# KiCad board pico_synth_sandbox.kicad_pcb (continued)
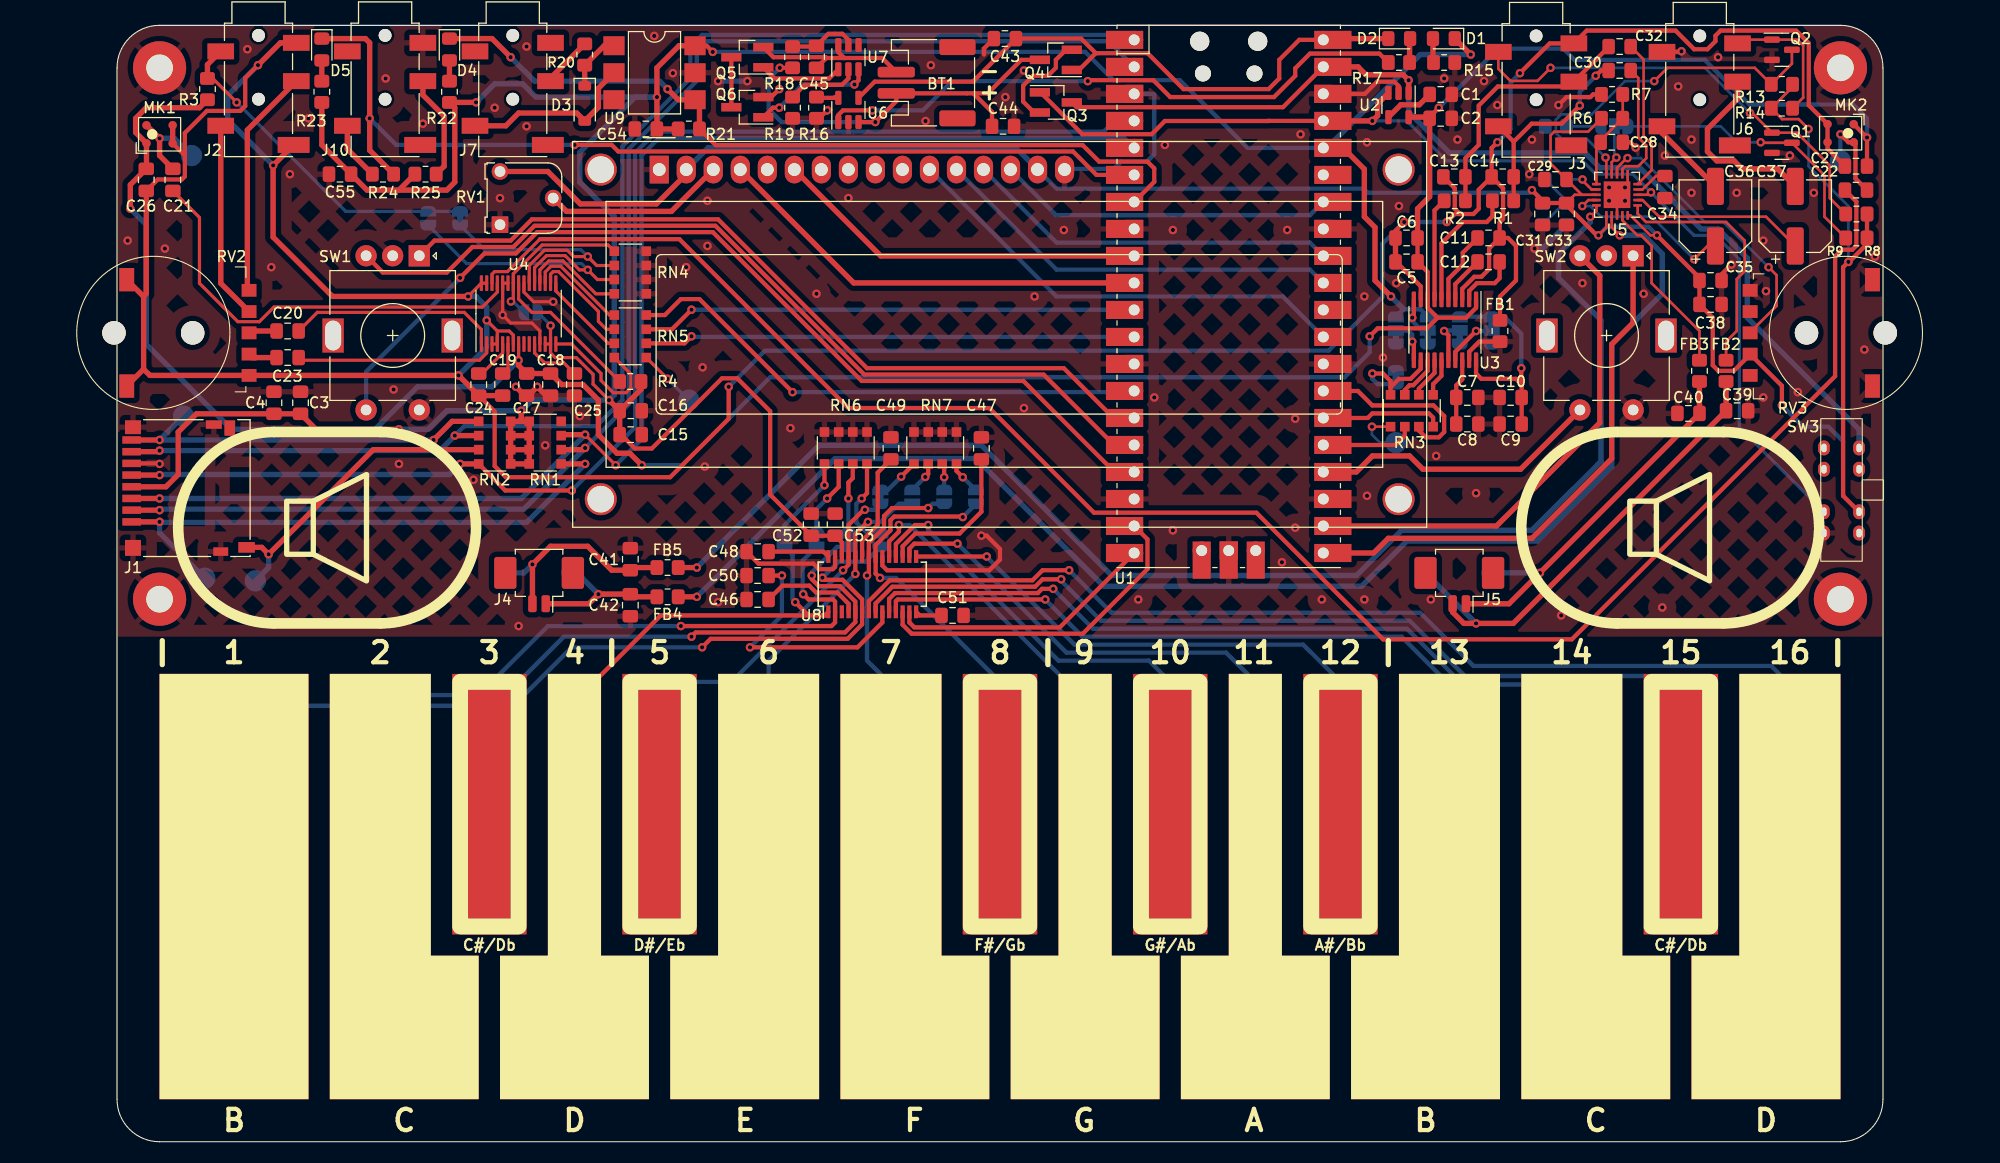
[diagram p0: board, top side]
## Footprints (pads in the part's own frame, mm; a bottom-side part is the same pattern mirrored in y, then rotated) (continued)
  rect 1.2x0.4 smd: 1(-2.6,4.128) 2(-2.6,3.493) 3(-2.6,2.857) 4(-2.6,2.223) 5(-2.6,1.587) 6(-2.6,0.953) 7(-2.6,0.318) 8(-2.6,-0.318) 9(-2.6,-0.953) 10(-2.6,-1.587) 11(-2.6,-2.223) 12(-2.6,-2.857) 13(-2.6,-3.493) 14(-2.6,-4.128) 15(2.6,-4.128) 16(2.6,-3.493) 17(2.6,-2.857) 18(2.6,-2.223) 19(2.6,-1.587) 20(2.6,-0.953) 21(2.6,-0.318) 22(2.6,0.318) 23(2.6,0.953) 24(2.6,1.587) 25(2.6,2.223) 26(2.6,2.857) 27(2.6,3.493) 28(2.6,4.128)
TestPoint_Pad_D2.0mm
  round 2 smd: 1(0,0)
TSSOP-20_4.4x6.5mm_P0.65mm
  rrect 1.475x0.4 smd: 1(-2.862,2.925) 2(-2.862,2.275) 3(-2.862,1.625) 4(-2.862,0.975) 5(-2.862,0.325) 6(-2.862,-0.325) 7(-2.862,-0.975) 8(-2.862,-1.625) 9(-2.862,-2.275) 10(-2.862,-2.925) 11(2.862,-2.925) 12(2.862,-2.275) 13(2.862,-1.625) 14(2.862,-0.975) 15(2.862,-0.325) 16(2.862,0.325) 17(2.862,0.975) 18(2.862,1.625) 19(2.862,2.275) 20(2.862,2.925)
TSSOP-30_4.4x7.8mm_P0.5mm
  rrect 1.475x0.3 smd: 1(-2.862,3.5) 2(-2.862,3) 3(-2.862,2.5) 4(-2.862,2) 5(-2.862,1.5) 6(-2.862,1) 7(-2.862,0.5) 8(-2.862,0) 9(-2.862,-0.5) 10(-2.862,-1) 11(-2.862,-1.5) 12(-2.862,-2) 13(-2.862,-2.5) 14(-2.862,-3) 15(-2.862,-3.5) 16(2.862,-3.5) 17(2.862,-3) 18(2.862,-2.5) 19(2.862,-2) 20(2.862,-1.5) 21(2.862,-1) 22(2.862,-0.5) 23(2.862,0) 24(2.862,0.5) 25(2.862,1) 26(2.862,1.5) 27(2.862,2) 28(2.862,2.5) 29(2.862,3) 30(2.862,3.5)
WC1602A
  round 3 hole 2.5: (-5.499,0) (-5.499,-31.001) (69.499,-31.001) (69.5,0)
  rect 1.8x2.6 hole 1.2: 1(0,0)
  oval 1.8x2.6 hole 1.2: 2(2.54,0) 3(5.08,0) 4(7.62,0) 5(10.16,0) 6(12.7,0) 7(15.24,0) 8(17.78,0) 9(20.32,0) 10(22.86,0) 11(25.4,0) 12(27.94,0) 13(30.48,0) 14(33.02,0) 15(35.56,0) 16(38.1,0)

## Nets
3V3_EN: Q3.1 SW3.7 U1.37 U2.3 U5.3
+3.3V: C3.1 C4.1 C9.1 C10.2 C15.1 C16.1 C52.1 C53.1 C54.1 C55.1 D1.1 J1.4 JP2.3 JP3.1 JP4.3 JP5.3 JP6.1 R4.1 R21.1 R22.1 R23.1 R25.1 RN1.5 RN1.6 RN1.7 RN1.8 RN2.5 RN2.6 RN2.7 RN2.8 U1.36 U3.20 U4.13 U4.14 U8.26 U9.6
+3.3VA: C2.1 C5.1 C6.1 C17.1 C18.1 C26.1 C27.1 MK1.1 MK2.1 R3.1 U2.5 U3.1 U3.8 U4.8
+5V: C29.1 C31.1 C33.1 C35.1 C38.1 DS1.2 DS1.15 R6.1 R8.1 R9.1 R10.1 R13.1 R14.1 RV1.3 RV3.4 SW3.3 U5.13 U5.16 U5.20
GND: C1.2 C2.2 C3.2 C4.2 C7.2 C8.2 C9.2 C10.1 C15.2 C16.2 C17.2 C18.2 C25.2 C28.2 C29.2 C31.2 C33.2 C34.2 C35.2 C38.2 C39.2 C40.2 C41.2 C42.2 C43.2 C44.2 C46.2 C47.2 C48.2 C49.2 C50.2 C51.2 C52.2 C53.2 C54.2 C55.2 DS1.1 DS1.5 DS1.16 FB1.1 H1.1 H2.1 H3.1 H4.1 J1.6 J1.11 J6.R2 J10.S JP1.1 JP2.1 JP3.3 JP4.1 JP5.1 Q1.2 Q2.2 Q6.2 R5.2 R7.2 R11.2 R15.2 R16.2 R19.2 RN4.5 RN4.6 RN4.7 RN4.8 RN6.5 RN6.6 RN6.7 RN6.8 RN7.5 RN7.6 RN7.7 RN7.8 RV1.1 RV3.1 SW1.C SW1.S2 SW2.C SW2.S2 SW3.8 U1.3 U1.8 U1.13 U1.18 U1.23 U1.28 U1.33 U1.38 U1.42 U2.2 U3.19 U4.12 U4.22 U4.25 U4.26 U5.6 U5.18 U5.21 U6.2 U8.20 U8.27 U9.5
GNDA: C5.2 C6.2 C11.2 C13.2 C14.2 C19.2 C24.2 C26.2 C27.2 FB1.2 J2.S J2.TN J3.S MK1.2 MK1.3 MK2.2 MK2.3 RV2.1 U3.3 U3.9 U4.3 U4.4 U4.7 U4.29 U4.30
VBUS: C43.1 D2.1 Q4.1 U1.40 U6.4
+BATT: BT1.1 C44.1 Q4.3 R18.1 U6.3
-BATT: BT1.2 C45.2 Q5.2 U7.6
/1602D4: DS1.11 U1.29
/1602D5: DS1.12 U1.31
/1602D6: DS1.13 U1.32
/1602D7: DS1.14 U1.34
/1602EN: DS1.6 U1.9
/1602RS: DS1.4 U1.10
/Audio Output/AMPL+: C42.1 FB4.2 J4.1 TP6.1
/Audio Output/AMPL-: C41.1 FB5.1 J4.2 TP7.1
/Audio Output/AMPR+: C40.1 FB2.2 J5.1 TP8.1
/Audio Output/AMPR-: C39.1 FB3.1 J5.2 TP9.1
/Audio Output/HPL_OUT: C36.2 J6.T
/Audio Output/HPR_OUT: C37.2 J6.R1
/ENC1A: SW1.A U1.15
/ENC1B: SW1.B U1.16
/ENC1SW: SW1.S1 U1.17
/ENC2A: SW2.A U1.21
/ENC2B: SW2.B U1.22
/ENC2SW: SW2.S1 U1.24
/I2S ADC/LINE_L: C20.1 RV2.3
/I2S ADC/LINE_R: C23.1 RV2.2
/I2S ADC/MIC_L: C21.1 MK1.4 TP26.1
/I2S ADC/MIC_R: C22.1 MK2.4 TP27.1
/I2S DAC/DEMP: JP4.2 U3.10
/I2S DAC/FLT: JP2.2 U3.11
/I2S DAC/FMT: JP5.2 U3.16
/I2S DAC/LDOO: C7.1 C8.1 U3.18
/I2S DAC/SCK: RN3.5 TP4.1
/I2S DAC/XSMT: JP3.2 U3.17
/Touch Keyboard/KYSEL: JP12.1 TP12.1 U8.2
/Touch Keyboard/OPDEN: JP10.1 TP10.1 U8.6
/Touch Keyboard/SAHL: JP11.1 TP11.1 U8.5
/Touch Keyboard/SKMS0: JP14.1 TP14.1 U8.25
/Touch Keyboard/SKMS1: JP13.1 TP13.1 U8.1
/Touch Keyboard/SKSRT: JP17.1 TP17.1 U8.21
/Touch Keyboard/SLWPTM: JP16.1 TP16.1 U8.22
/Touch Keyboard/TPAD5: JP15.1 TP15.1 U8.24
/Touch Keyboard/TPAD8: TP18.1 U8.19
/Touch Keyboard/TPAD9: TP19.1 U8.18
/Touch Keyboard/TPAD10: TP20.1 U8.16
/Touch Keyboard/TPAD11: TP21.1 U8.15
/Touch Keyboard/TPAD12: TP22.1 U8.11
/Touch Keyboard/TPAD13: TP23.1 U8.10
/Touch Keyboard/TPAD14: TP24.1 U8.8
/Touch Keyboard/TPAD15: TP25.1 U8.7
ADC_I2SCLK: RN5.7 U1.11
ADC_I2SDAT: RN5.8 U1.14
ADC_I2SWS: RN5.6 U1.12
ADC_SEL: J2.R2 JP7.2 JP8.2 R3.2
DAC_I2SCLK: RN3.6 U1.25
DAC_I2SDAT: RN3.7 U1.27
DAC_I2SWS: RN3.8 U1.26
I2SAL: C14.1 C30.1 J3.T R1.1
I2SAR: C13.1 C32.1 J3.R1 R2.1
MUTE: JP9.2 U5.9
OUT_SEL: Q2.3 R13.2 U5.10
RUN: U1.30
SPI_CS: J1.2 RN1.2 U1.2
SPI_RX: J1.7 RN2.2 U1.1
SPI_SCK: J1.5 RN2.4 U1.4
SPI_TX: J1.3 RN1.3 U1.5
TTP_SCL: U1.20 U8.13
TTP_SDO: U1.19 U8.12
UART_RX: D4.1 R21.2 U1.7 U9.4
UART_TX: D5.1 R24.2 U1.6
VSYS: Q3.3 SW3.1 U1.39 U2.1
VSYS&VBAT: Q3.2 Q4.2
Net-(U4-VINL2/VIN1M): C20.2 U4.1
Net-(U4-VINL4/VIN4M): C21.2 U4.27
Net-(U4-VINR2/VIN2M): C23.2 U4.2
Net-(U4-VINR4/VIN3M): C22.2 U4.28
Net-(D1-A): D1.2 R15.1
Net-(D2-A): D2.2 R17.1
Net-(D3-A): D3.2 J7.T U9.2
Net-(D3-K): D3.1 R20.1 U9.1
Net-(D4-A): D4.2 R22.2
Net-(D5-A): D5.2 R23.2
Net-(DS1-VO): DS1.3 RV1.2
Net-(J1-DAT1): J1.8 RN2.1 TP1.1
Net-(J1-DAT2): J1.1 RN1.1 TP2.1
Net-(J1-DET_A): J1.10 RN2.3 TP3.1
Net-(J2-PadR1): J2.R1 RV2.5
Net-(J2-PadT): J2.T RV2.4
Net-(J7-PadR1): J7.R1 R20.2
Net-(J7-PadS): J7.S
Net-(J10-PadR1): J10.R1 R25.2
Net-(J10-PadT): J10.T R24.1
Net-(JP1-B): JP1.2 RN3.4 U3.12
Net-(JP6-B): JP6.2 RN4.1 U4.24
Net-(JP7-A): JP7.1 RN4.2 U4.21
Net-(JP8-A): JP8.1 RN4.3 U4.20
Net-(JP9-A): JP9.1 Q1.3 R8.2
Net-(JP9-B): JP9.3 R5.1
Net-(JP10-B): JP10.2 RN6.4
Net-(JP11-B): JP11.2 RN6.3
Net-(JP12-B): JP12.2 RN6.2
Net-(JP13-B): JP13.2 RN6.1
Net-(JP14-B): JP14.2 RN7.1
Net-(JP15-B): JP15.2 RN7.2
Net-(JP16-B): JP16.2 RN7.3
Net-(JP17-B): JP17.2 RN7.4
Net-(Q1-G): J3.R2 Q1.1 R9.2
Net-(Q2-G): J6.S Q2.1 R14.2
Net-(Q5-D): Q5.3 Q6.3
Net-(Q5-G): Q5.1 U7.1
Net-(Q6-G): Q6.1 U7.3
Net-(R10-Pad2): R10.2 R11.1 R12.1
Net-(RN3-R1.1): RN3.1 U3.15
Net-(RN3-R2.1): RN3.2 U3.14
Net-(RN3-R3.1): RN3.3 U3.13
Net-(RN5-R1.1): RN5.1 U4.18
Net-(RN5-R2.1): RN5.2 U4.17
Net-(RN5-R3.1): RN5.3 U4.16
Net-(RN5-R4.1): RN5.4 U4.15
Net-(RN5-R4.2): RN5.5 TP5.1
Net-(U2-BP): C1.1 U2.4
Net-(U3-CAPM): C12.2 U3.4
Net-(U3-CAPP): C12.1 U3.2
Net-(U3-OUTL): R1.2 U3.6
Net-(U3-OUTR): R2.2 U3.7
Net-(U3-VNEG): C11.1 U3.5
Net-(U4-LDO): C25.1 U4.11
Net-(U4-MD2): R4.2 U4.23
Net-(U4-MIC_BIAS): C24.1 U4.5
Net-(U4-VREF): C19.1 U4.6
Net-(U5-BYPASS): C34.1 U5.4
Net-(U5-HPL_OUT): C36.1 U5.14
Net-(U5-HPR_OUT): C37.1 U5.2
Net-(U5-L_IN): C30.2 U5.7
Net-(U5-LOUT_N): FB5.2 U5.15
Net-(U5-LOUT_P): FB4.1 U5.17
Net-(U5-PL): C28.1 R6.2 R7.1 U5.11
Net-(U5-R_IN): C32.2 U5.5
Net-(U5-ROUT_N): FB3.2 U5.1
Net-(U5-ROUT_P): FB2.1 U5.19
Net-(U5-UVP): R12.2 U5.12
Net-(U5-VOLUME): RV3.3 U5.8
Net-(U6-PROG): R16.1 U6.5
Net-(U6-STAT): R17.2 U6.1
Net-(U7-VDD): C45.1 R18.2 U7.5
Net-(U7-VM): R19.1 U7.2
Net-(U8-SENADJ0): C46.1 U8.4
Net-(U8-SENADJ1): C49.1 U8.23
Net-(U8-SENADJ2): C47.1 U8.17
Net-(U8-SENADJ3): C50.1 U8.9
Net-(U8-SLPSENA): C48.1 U8.28
Net-(U8-SLPSENB): C51.1 U8.14

Pads without a net: BT1 MP; DS1 7 8 9 10; J1 9; J3 TN; J4 MP; J5 MP; J6 TN; J7 R2 TN; J10 R2 TN; RN1 4; RN4 4; RV2 0; RV3 0 2 5; SW1 MP; SW2 MP; SW3 2 4 5 6; U1 35 41 43; U4 9 10 19; U7 4; U8 3; U9 3

## Via types
v1: diameter 0.8, hole 0.4, Top to Bottom, 246 vias

## Routing (per net, layer and track width the routed paths; a pad name or vN(x,y) marks a point on that pad's centre or on a via; arc(x,y) is an arc through that point)
3V3_EN: length 105
  Top w0.25: U5.3 143.97,89.06 v1(144.19,89.29)
  Top w0.4: Q3.1 86.8,98.7 90.74,94.76 97.26,94.76 98.5,96 108.25,96 108.26,96.01 U1.37 ; 86.55,98.7 86.5,98.7
  Top w0.5: U1.37 v1(118,96.01) 118.5,96.51 118.5,97.62 U2.3
  Bottom w0.3: v1(118,96.01) 121.24,96.01 125,92.25 137.75,92.25 139,91 142.48,91 v1(144.19,89.29) 148.23,85.25 150.25,85.25 152.5,83 152.5,67.2 SW3.7
+3.3V: length 351.2
  Top w0.3: U4.13 U4.14 ; U4.14 40.75,74.18 41.18,73.75 43.17,73.75 44.75,72.17 44.75,71.25 v1(46.25,69.75) ; U4.14 v1(40.75,76.75)
  Top w0.4: U8.26 68.13,56.37 C53.1 C52.1 61.39,60.86 61.39,68.7 58.3,71.8 56.87,71.8 50.27,65.2 48.68,65.2 47.37,66.5 C15.1 ; 132.04,71.21 132,71.25 v1(132,72.75) ; 132.04,71.21 C9.1 C10.2 ; 132.04,71.21 131.5,71.75 128.25,71.75 127.75,72.25 U3.20 ; U9.6 55.42,103.08 v1(56,102.5)
  Top w0.5: RN2.6 RN1.7 ; RN2.6 RN2.5 RN1.8 RN1.7 ; RN2.6 RN2.7 ; RN1.7 RN1.6 ; 37.75,67.75 38,68 v1(38,68.75) ; 37.75,67.75 RN1.5 RN1.6 ; 37.75,67.75 RN2.8 RN2.7 ; RN1.6 RN2.7 ; R21.1 C54.1 v1(50.75,98.25) 50.75,101 52.83,103.08 U9.6 ; v1(119.75,79.5) 118.25,81 118.25,86 117.25,87 117.25,91.47 115.25,93.47 U1.36 ; v1(26.5,67) 18.71,67 C3.1 C4.1 7.46,68.46 5.75,66.75 5.75,62.75 4.6,61.6 J1.4 ; R25.1 26.5,89.5 ; 26.5,89.5 31,89.5 31.75,90.25 31.75,97.25 R22.1 v1(33.75,97.75) ; 26.5,89.5 23.5,89.5 C55.1 19.25,93.75 R23.1 ; C16.1 v1(46.25,69.75) ; C16.1 49.25,70.75 R4.1 ; C16.1 C15.1 ; D1.1 v1(127.25,102.25)
  Bottom w0.3: JP6.1 40.75,76.8 v1(40.75,76.75) ; v1(50.75,98.25) 49,98.25
  Bottom w0.4: v1(132,72.75) 132,76 130.4,77.6 JP3.1 JP5.3 JP4.3 122.51,78.3 120.91,78.3 JP2.3 ; U1.36 106.28,93.47 99.91,99.84 93.66,99.84 91,102.5 v1(56,102.5)
  Bottom w0.5: v1(119.75,79.5) 120.91,78.34 120.91,78.3 ; v1(127.25,102.25) 122.5,102.25 113.72,93.47 U1.36 ; v1(26.5,67) 29.25,67 31,68.75 v1(38,68.75) 39,69.75 v1(46.25,69.75) 46.75,70.25 46.75,87 43.5,90.25 43.5,93.05 48.7,98.25 v1(50.75,98.25) 39.38,98.25 38.12,99.5 35.5,99.5 v1(33.75,97.75)
+3.3VA: length 251.9
  Top w0.3: U4.8 v1(37.75,73.5)
  Top w0.4: U3.8 123.2,81.8 C5.1 C6.1 ; U3.8 123.21,79.24 ; U3.8 123.2,78.43 124.13,77.5 ; 124.13,77.5 126.82,77.5 127.75,78.43 U3.1 ; 124.13,77.5 123.13,76.5 118.5,76.5 v1(117.75,75.75) ; MK2.1 v1(164.5,94.45) C27.1 ; v1(124.25,97.25) 123.39,96.39 C2.1
  Top w0.5: U2.5 123.28,96.36 C2.1 123.39,88.89 122.25,87.75 C6.1 ; R3.1 7.75,97.25 2.75,97.25 1.75,96.25 1.75,94.92 MK1.1 2.77,91.52 C26.1 1.25,90 v1(1.25,87.75) ; v1(37.75,73.5) 37.75,73 C17.1 C18.1 41.79,71.21 43.79,71.21 45.25,69.75 45.25,66.5 47,64.75 48.2,64.75 v1(49.33,63.62)
  Bottom w0.4: v1(164.5,94.45) 164.5,96.25 163.2,97.55 153.45,97.55 149.25,101.75 137,101.75 135.95,102.8 129.8,102.8 v1(124.25,97.25) ; v1(117.75,75.75) 117.75,74.25 115.4,71.9 61.4,71.9 53.12,63.62 v1(49.33,63.62)
  Bottom w0.5: v1(1.25,87.75) 2.75,86.25 2.75,75 10.75,67 24.25,67 28.25,71 35.25,71 v1(37.75,73.5)
+5V: length 230.9
  Top w0.25: 137.69,89.06 137.03,89.06 C33.1 136.25,88 ; 137.69,89.06 C29.1 134.75,92 134.75,94.65 135.1,95 138.29,95 R6.1 ; 137.69,89.06 U5.13 ; U5.20 142.26,87.12 144.14,85.25 v1(144.75,85.25) ; R13.1 157.5,99.2 R14.1 156.53,96.17 158.07,96.17 v1(159,95.25) ; U5.16 140,86 v1(139.25,85.25) ; v1(133,89.5) 133,89.29 ; 148.39,81 C35.1
  Top w0.4: SW3.3 162.25,60.75 162.25,82.25 v1(162.75,82.75) 162.82,82.75 164.5,84.43 R8.1 R9.1 ; v1(156.5,69.25) 156.5,71.09 RV3.4 153.51,74.04 151.98,72.5 150.52,72.5 150,73.02 150,77.5 C38.1 C35.1 148.75,81.25 v1(144.75,85.25) ; v1(133,89.5) 134,88.5 C31.1 C33.1 136.25,88.09 139.09,85.25 v1(139.25,85.25)
  Top w0.5: RV1.3 40.5,91.25 43.55,88.2 50.7,88.2 53.51,91.01 DS1.2
  Bottom w0.25: v1(159,95.25) 159,91.75 162.75,88 v1(162.75,82.75)
  Bottom w0.4: v1(156.5,69.25) 158.5,67.25 160.88,67.25 162.25,65.88 162.25,60.75 SW3.3 ; R10.1 134,88.5 v1(133,89.5) 132.75,89.25 117.56,89.25 117.17,89.64 88.32,89.64 DS1.15 ; v1(144.75,85.25) 143.95,86.05 140.05,86.05 v1(139.25,85.25)
  Bottom w0.5: DS1.2 55.58,93.5 84.46,93.5 DS1.15
GND: length 99.6
  Top w0.25: 142,90.06 v1(141.75,89.75) 142,90 U5.6 ; U5.18 U5.21
  Top w0.3: v1(41,79) 39.16,79 38.25,79.91 U4.22 ; U4.25 U4.26 v1(36.25,77.75) 37,77 39,77 39.75,76.25 U4.12
  Top w0.4: FB1.1 128.05,75.25 127.1,74.3 U3.19 ; v1(151.75,82.5) 150.82,81.58 C35.2 ; v1(142.75,93.5) 142.25,94 C28.2 ; v1(62.25,99) 61.5,98.25 Q6.2 ; v1(135.5,97.5) 136.25,98.25 138.5,98.25 138.75,98.5 R7.2 ; v1(147.06,102.56) 147,102.5 J6.R2 ; v1(81.25,57) 81.75,57 83,55.75 83,54.75 82,53.75 72.38,53.75 71.94,54.19 U8.20 ; v1(66.75,97) 66,96.25 R16.2 ; v1(4,63.75) 3.95,63.8 J1.6 ; C43.2 81.5,102.83 81.5,102.25 ; C48.2 60.3,54.38 65.45,54.38 65.97,53.85 67.27,53.85 67.5,54.07 U8.27 ; U2.2 120.46,99.3 120.06,99.7 118.45,99.7 117.3,98.55 U1.38
  Top w0.5: C18.2 40.33,70.17 v1(39.5,71) 38.67,70.17 C17.2 38.33,70.17 v1(37.5,71)
  Bottom w0.4: U1.3 97.45,98.55 97.5,98.5 97.5,92.88 96.81,92.18 94.39,92.18 93.71,91.5 89.14,91.5 DS1.16
  Bottom w0.5: v1(56.5,99.75) v1(59.25,99.75) ; v1(133.25,84) 134,84 R11.2
  vias: v1(1,84.75) v1(4.5,84) v1(12.25,102.75) v1(14.5,82.25) v1(16.25,91) v1(18,96.25) v1(25.25,100) v1(26,70.75) v1(26.5,63.75) v1(28.75,95.75) v1(33.5,62.25) v1(35.5,97.25) v1(36,88.75) v1(37.75,48.5) v1(38.5,103) v1(38.5,95.5) v1(40.25,65.5) v1(43.5,68.25) v1(50.5,104) v1(52.25,100.5) v1(53.5,82.25) v1(55.05,72.83) v1(55.25,63.5) v1(55.5,88.5) v1(55.5,84.25) v1(56.5,50.75) v1(63.3,67.12) v1(65.75,79.75) v1(68.75,88.75) v1(76,96) v1(76.5,101.25) v1(83.5,98.25) v1(85.25,100.75) v1(85.25,69) v1(86.25,79.5) v1(89,85.75) v1(96,51) v1(97.5,70) v1(98.5,93.75) v1(99.25,85.75) v1(99.25,57.5) v1(109.5,54.5) v1(110,85.75) v1(110.75,68) v1(110.75,57.75) v1(111.25,94.75) v1(113.25,51) v1(117.25,79.5) v1(117.25,51) v1(117.5,94) v1(117.5,60.75) v1(119,73.75) v1(120.25,80.75) v1(120.5,88) v1(123.5,51) v1(124,64.5) v1(124.75,100) v1(126,94.25) v1(127.75,61) v1(128.5,99.75) v1(129.75,97.5) v1(132.75,91) v1(133,94.25) v1(135.75,49.5) v1(137.75,80.75) v1(140.25,89.75) v1(140.25,88.5) v1(141.75,88.5) v1(143.5,79.75) v1(145.25,50.25) v1(145.5,92.75) v1(146.75,99.25) v1(148,94.25) v1(148,89.25) v1(150.5,102) v1(152.25,89.25) v1(154.75,84.75) v1(154.75,70) v1(155,80) v1(157.25,92.75) v1(158,70.5) v1(159.5,89.25) v1(164.25,74.5) v1(165.25,83.25)
GNDA: length 354.3
  Top w0.3: v1(34.75,77.25) 35.75,76.25 ; 35.75,76.25 U4.4 ; 35.75,76.25 36.87,76.25 37.25,75.87 U4.7 ; v1(33,79.5) U4.30 U4.29 ; U4.4 U4.3 ; U4.4 35.75,75.87
  Top w0.4: C11.2 128.97,84.01 128.97,82.08 128.25,81.35 127.58,81.35 126.45,80.22 U3.3 ; C11.2 130.75,85 131.5,84.25 131.5,81 130,79.5 FB1.2 ; C11.2 129.96,86.46 130.29,86.79 130.29,89.67 C14.2 ; C13.2 125.75,89.67 125.75,87.75 126.25,87.25 126.5,87.25 ; v1(129.75,94) 129.21,93.46 C14.2 ; 126.5,87.25 127.5,87.25 128,87.75 128,89.54 C14.2 ; 126.5,87.25 125.75,87.25 v1(125,86.5) ; C6.2 120.18,85.67 v1(121,86.5) ; C27.2 160.79,93.38 MK2.3 MK2.2 160.79,95.71 159.03,97.47 159.03,103.32 157.84,104.5 150.73,104.5 150.25,104.02 150.25,103.5 149.5,102.75 148.25,102.75 146.5,104.5 138.15,104.5 J3.S 134.68,103.3 v1(131.88,100.5) ; 6.38,92.75 6.38,94.88 8.45,96.95 11.58,96.95 12.05,97.42 12.05,100.05 v1(13.25,101.25) ; 6.38,92.75 6.38,90.79 6.09,90.5 3.83,90.5 C26.2 ; 6.38,92.75 MK1.2 ; C5.2 120.25,82.75 122.55,80.45 U3.9 ; C24.2 35.5,68.67 35.5,63.55 36.55,62.5 52,62.5 57.5,68 v1(57.5,71)
  Top w0.5: 2.5,79.5 2.5,72.66 ; 2.5,79.5 2.49,79.5 RV2.1 ; 2.5,79.5 2.75,79.75 C26.2 ; 2.5,72.66 RV2.1 ; 2.5,72.66 3.09,72.08 RV2.1 v1(32.1,72.08) C24.2 C19.2 ; J2.TN v1(14.67,91.83) 14.67,85.08 20.25,79.5 v1(33,79.5) ; MK1.3 MK1.2 ; C6.2 C5.2 ; v1(13.25,101.25) 15.35,103.35 J2.S
  Bottom w0.4: v1(57.5,71) 60.9,74.4 113.9,74.4 118.95,79.45 118.95,84.45 v1(121,86.5) v1(125,86.5) ; v1(131.88,100.5) 131,99.62 131,95.25 v1(129.75,94)
  Bottom w0.5: v1(32.1,72.08) 34.75,74.72 v1(34.75,77.25) 34.75,78.5 33.75,79.5 v1(33,79.5) ; v1(13.25,101.25) 10.4,98.4 10.4,96.1 v1(14.67,91.83)
VBUS: length 60
  Top w0.4: Q4.1 90.42,100.8 92,102.38 ; 92,102.38 90.63,103.75 C43.1 80.45,99.7 71.22,99.7 U6.4 ; 92,102.38 96.87,102.38 100.25,99 108.25,99 109.25,100 109.25,101.75 111.13,103.63 U1.40
  Top w0.5: U1.40 113.51,103.75 D2.1
(no net): length 9.9
  Top w0.3: 39.75,80.75 39.75,82 40.58,82.84 41.92,82.84 45,79.75 46.75,79.75
+BATT: length 39.8
  Top w0.4: v1(62.3,101) R18.1 ; Q4.3 85,101.75 81.85,98.6 80.5,98.6 ; C44.1 82.25,96.85 80.5,98.6 ; U6.3 v1(71.28,95.9) 73.25,97.87 BT1.1 80.5,98.6
  Bottom w0.4: v1(71.28,95.9) 62.47,95.9 61.25,97.12 61.25,99.95 v1(62.3,101)
-BATT: length 16.2
  Top w0.4: Q5.2 61.7,102 66.6,102 66.67,101.92 ; 66.67,101.92 68.35,101.92 ; 66.67,101.92 C45.2 ; 68.35,101.92 67.8,102.48 U7.6 ; 68.35,101.92 71.92,101.92 BT1.2
/1602D4: length 43.5
  Bottom w0.4: U1.29 109.58,79.5 88.3,79.5 DS1.11
/1602D5: length 38.9
  Bottom w0.4: U1.31 112.14,82.02 88.32,82.02 DS1.12
/1602D6: length 35.3
  Bottom w0.4: DS1.13 88.32,84.56 112.14,84.56 U1.32
/1602D7: length 31.7
  Bottom w0.4: DS1.14 88.28,87.14 112.14,87.14 U1.34
/1602EN: length 35.3
  Top w0.5: DS1.6 71.79,83.31 U1.9
/1602RS: length 41.4
  Top w0.5: DS1.4 69.25,80.77 U1.10
/Audio Output/AMPL+: length 14.3
  Top w0.5: J4.1 44.35,50.6 v1(45.25,51.5) C42.1 48.5,51.25 FB4.2
  Bottom w0.5: TP6.1 43.25,53.5 v1(45.25,51.5)
/Audio Output/AMPL-: length 20
  Top w0.5: FB5.1 48.5,54 C41.1 46.5,53.75 44.25,56 40.75,56 v1(39.05,54.3) J4.2
  Bottom w0.5: v1(39.05,54.3) 38.25,53.5 TP7.1
/Audio Output/AMPR+: length 36.9
  Top w0.5: FB2.2 C40.1 v1(133.75,53.5) 130.85,50.6 J5.1
  Bottom w0.5: TP8.1 v1(133.75,53.5)
/Audio Output/AMPR-: length 44.7
  Top w0.5: J5.2 125.55,49.8 126.6,48.75 v1(127.75,48.75) 131.25,48.75 C39.1 FB3.1
  Bottom w0.5: TP9.1 v1(127.75,48.75)
/Audio Output/HPL_OUT: length 7.7
  Top w0.5: C36.2 145.23,94.87 J6.T
/Audio Output/HPR_OUT: length 17.4
  Top w0.5: C37.2 156.1,91.5 152.75,91.5 152,92.25 150.38,92.25 149.5,93.13 149.5,95.25 152.33,98.08 J6.R1
/ENC1A: length 76.4
  Top w0.4: U1.15 93.68,68.07 89,72.75 70.5,72.75 56.5,86.75 39,86.75 37,84.75 29.84,84.75 SW1.A
/ENC1B: length 83.2
  Top w0.4: SW1.B 24.99,81.75 31,81.75 33.4,84.15 37.25,84.15 39.25,86.15 56.25,86.15 70.25,72.15 87.1,72.15 93.72,65.53 U1.16
/ENC1SW: length 90.6
  Top w0.4: v1(32.25,81.25) 34.55,83.55 37.5,83.55 39.5,85.55 56,85.55 70,71.55 85.2,71.55 93.76,62.99 U1.17
  Bottom w0.4: SW1.S1 23.41,72.41 v1(32.25,81.25)
/ENC2A: length 50.7
  Top w0.5: U1.21 118.12,55.37 119.5,56.75 133,56.75 140.5,64.25 140.5,75 142.51,77.01 SW2.A
/ENC2B: length 46.5
  Top w0.5: U1.22 129.67,57.91 139.38,67.62 139.38,81.46 SW2.B
/ENC2SW: length 27.6
  Top w0.5: U1.24 116.49,62.99 118,64.5 121.5,64.5 122.75,63.25 131.94,63.25 SW2.S1
/I2S ADC/LINE_L: length 2.7
  Top w0.5: C20.1 12.59,76.25 RV2.3
/I2S ADC/LINE_R: length 2.7
  Top w0.5: C23.1 12.74,73.75 RV2.2
/I2S ADC/MIC_L: length 8.8
  Top w0.5: C21.1 4,92.75 v1(4,94.37) MK1.4
  Bottom w0.5: TP26.1 5.38,94.37 v1(4,94.37)
/I2S ADC/MIC_R: length 9.1
  Top w0.4: C22.1 163.41,90.59 163.41,93.84 MK2.4 162.75,94 v1(162,94.75)
  Bottom w0.4: v1(162,94.75) TP27.1
/I2S DAC/DEMP: length 3.9
  Top w0.4: v1(121.75,77.5) 121.9,77.65 U3.10
  Bottom w0.4: JP4.2 122.65,76.3 121.75,77.2 v1(121.75,77.5)
/I2S DAC/FLT: length 4.2
  Top w0.4: v1(121.75,75.25) 121.9,75.1 U3.11
  Bottom w0.4: JP2.2 121.36,76.3 121.75,75.91 v1(121.75,75.25)
/I2S DAC/FMT: length 4.4
  Top w0.4: v1(124.75,76.25) 125.15,75.85 U3.16
  Bottom w0.4: v1(124.75,76.25) 124.8,76.3 JP5.2
/I2S DAC/LDOO: length 6.2
  Top w0.4: U3.18 126.45,71.7 125.89,71.14 C7.1 C8.1
/I2S DAC/SCK: length 5.1
  Top w0.25: RN3.5 v1(117.96,67.25)
  Bottom w0.25: TP4.1 118.71,65.75 117.96,66.5 v1(117.96,67.25)
/I2S DAC/XSMT: length 5
  Top w0.4: v1(127.75,76.25) 127.75,76.25 125.8,74.3 U3.17
  Bottom w0.4: JP3.2 129.16,76.25 v1(127.75,76.25)
/Touch Keyboard/KYSEL: length 56.4
  Top w0.4: TP12.1 v1(35,43) ; v1(53,48.5) 67.16,48.5 67.5,48.84 U8.2 67.5,50.8 67.3,51 65,51 v1(64.5,51.5)
  Bottom w0.4: v1(35,43) 40.5,48.5 v1(53,48.5) ; v1(64.5,51.5) 64.45,51.55 64.45,54.65 JP12.1
/Touch Keyboard/OPDEN: length 95.6
  Top w0.4: v1(55,46.5) 55.8,47.3 68.68,47.3 70.04,48.66 U8.6 70.04,51.02 68.2,52.85 66.51,52.85 v1(66.31,53.05) ; TP10.1 v1(11,43)
  Bottom w0.4: v1(55,46.5) 42.75,46.5 37.25,41 13,41 v1(11,43) ; v1(66.31,53.05) 67.81,54.55 70.35,54.55 JP10.1
/Touch Keyboard/SAHL: length 79.8
  Top w0.4: v1(65.31,53.25) 65.31,52.91 65.97,52.25 67.95,52.25 69.4,50.8 U8.5 69.4,48.87 68.43,47.9 54.4,47.9 v1(54,47.5) ; v1(24.75,43) 27,40.75 TP11.1
  Bottom w0.4: JP11.1 67.7,55.95 65.31,53.56 v1(65.31,53.25) ; v1(24.75,43) 25.75,42 36.5,42 42,47.5 v1(54,47.5)
/Touch Keyboard/SKMS0: length 41.4
  Top w0.4: v1(70.3,59.43) 70.18,59.43 68.77,58.02 U8.25 68.77,54.27 v1(68.25,53.75) ; TP14.1 v1(51,43.25)
  Bottom w0.4: v1(70.3,59.43) 71.18,59.43 JP14.1 ; v1(51,43.25) 57.75,43.25 v1(68.25,53.75)
/Touch Keyboard/SKMS1: length 52.1
  Top w0.4: TP13.1 43,41.4 51.1,49.5 65,49.5 ; 65,49.5 v1(63.75,50.75) ; 65,49.5 66.53,49.5 U8.1
  Bottom w0.4: v1(63.75,50.75) 63.5,51 63.5,55.2 JP13.1
/Touch Keyboard/SKSRT: length 41.7
  Top w0.4: v1(71.72,53.03) 71.31,53.44 U8.21 71.31,56.11 72.7,57.5 72.7,58.45 73.05,58.8 79.45,58.8 v1(79.5,58.75) ; TP17.1 v1(83,43.25)
  Bottom w0.4: v1(83,43.25) 73.22,53.03 v1(71.72,53.03) ; v1(79.5,58.75) JP17.1
/Touch Keyboard/SLWPTM: length 43.5
  Top w0.4: v1(72.75,43) 75,40.75 TP16.1 ; v1(76.25,59.6) 72.85,59.6 72.1,58.85 72.1,57.75 70.67,56.32 U8.22 70.67,53.42 v1(70.5,53.25)
  Bottom w0.4: JP16.1 76.65,60 v1(76.25,59.6) ; v1(72.75,43) 70.5,45.25 v1(70.5,53.25)
/Touch Keyboard/TPAD5: length 44
  Top w0.4: v1(70.59,58.29) 70.54,58.29 69.4,57.15 U8.24 v1(69.4,53.4) ; v1(61.25,43) 61.25,26.25 TP15.1
  Bottom w0.4: JP15.1 73.5,60 71.79,58.29 v1(70.59,58.29) ; v1(69.4,53.4) 61.25,45.25 v1(61.25,43)
/Touch Keyboard/TPAD8: length 46.2
  Top w0.4: v1(73.5,58) 73.5,57.38 72.58,56.46 U8.19 ; TP18.1 v1(91,43.25)
  Bottom w0.4: v1(73.5,58) 74.5,58 89.25,43.25 v1(91,43.25)
/Touch Keyboard/TPAD9: length 45.6
  Top w0.4: TP19.1 v1(99,43.25) ; U8.18 73.21,56.21 75,58 v1(76.25,58)
  Bottom w0.4: v1(76.25,58) 76.25,57.5 88.5,45.25 97,45.25 v1(99,43.25)
/Touch Keyboard/TPAD10: length 58.1
  Top w0.4: U8.16 74.48,55.79 74.95,56.25 v1(79,56.25) ; TP20.1 v1(107,43.25)
  Bottom w0.4: v1(79,56.25) 89.25,46 104.25,46 v1(107,43.25)
/Touch Keyboard/TPAD11: length 56.3
  Top w0.4: TP21.1 v1(115,43.25) ; v1(81.75,55.04) U8.15
  Bottom w0.4: v1(81.75,55.04) 81.75,55 90,46.75 111.5,46.75 v1(115,43.25)
/Touch Keyboard/TPAD12: length 76.4
  Top w0.4: U8.11 73.21,50.84 73.38,51 v1(87.25,51) ; v1(125.25,43) 125.25,26.25 TP22.1
  Bottom w0.4: v1(87.25,51) 90.75,47.5 120.75,47.5 v1(125.25,43)
/Touch Keyboard/TPAD13: length 89.4
  Top w0.4: U8.10 72.58,51.05 73.13,51.6 86.55,51.6 86.95,52 v1(88,52) ; v1(136.75,43) 139,40.75 TP23.1
  Bottom w0.4: v1(88,52) 91.75,48.25 121.25,48.25 126.5,43 v1(136.75,43)
/Touch Keyboard/TPAD14: length 92.9
  Top w0.4: v1(88.75,52.9) 87,52.9 86.3,52.2 72.88,52.2 71.31,50.63 U8.8 ; TP24.1 v1(147,43)
  Bottom w0.4: v1(88.75,52.9) 88.75,52.75 92.5,49 121.5,49 126.7,43.8 146.2,43.8 v1(147,43)
/Touch Keyboard/TPAD15: length 113.2
  Top w0.4: U8.7 70.67,50.84 72.63,52.8 86.05,52.8 87,53.75 v1(89.5,53.75) ; v1(157.25,43) 157.25,26.25 TP25.1
  Bottom w0.4: v1(157.25,43) 155.5,44.75 127.5,44.75 122.5,49.75 93.5,49.75 v1(89.5,53.75)
ADC_I2SCLK: length 46.6
  Top w0.4: RN5.7 52.16,76.41 v1(54,78.25)
  Bottom w0.4: U1.11 95.59,78.25 v1(54,78.25)
ADC_I2SDAT: length 50.2
  Top w0.4: RN5.8 51.5,77.75 53,79.25 54.75,79.25 v1(63.5,70.5)
  Bottom w0.4: v1(63.5,70.5) 95.5,70.5 U1.14
ADC_I2SWS: length 46.2
  Top w0.4: RN5.6 53.34,75.09 v1(54,75.75)
  Bottom w0.4: U1.12 54.06,75.69 v1(54,75.75)
ADC_SEL: length 32
  Top w0.3: v1(11.25,97.75) 9,100 R3.2
  Top w0.5: J2.R2 8.5,101.3 R3.2
  Bottom w0.3: JP7.2 JP8.2 21.5,87.5 v1(11.25,97.75)
DAC_I2SCLK: length 8.9
  Top w0.4: RN3.6 121.05,66.4 120.18,65.53 U1.25
DAC_I2SDAT: length 17
  Top w0.4: U1.27 116.64,70.61 118,69.25 123.75,69.25 124.75,68.25 124.75,66.75 124.25,66.25 123.01,66.25 122.37,66.89 RN3.7
DAC_I2SWS: length 11.5
  Top w0.4: RN3.8 123.71,68.1 123.31,68.5 118,68.5 117.57,68.07 U1.26
I2SAL: length 20.1
  Top w0.4: v1(139,100.25) 139.5,100.75 C30.1 ; 131.29,94.06 C14.1 R1.1 ; 131.29,94.06 J3.T ; 131.29,94.06 132.98,95.75 135.8,95.75 v1(137.5,97.45)
  Bottom w0.4: v1(139,100.25) 137.5,98.75 v1(137.5,97.45)
I2SAR: length 24
  Top w0.4: C32.1 140.21,102.97 J3.R1 136.5,99.25 129.8,99.25 128,97.45 128,93.75 126.75,92.5 C13.1 R2.1
MUTE: length 4.8
  Top w0.25: v1(140.94,92.56) 140.5,92.12 U5.9
  Bottom w0.25: JP9.2 140.75,92.75 v1(140.94,92.56)
OUT_SEL: length 35.4
  Top w0.25: Q2.3 157.44,101.39 R13.2 153.95,101 145.75,101 v1(144.5,99.75) ; v1(139.92,92.56) 140,92.48 U5.10
  Bottom w0.25: v1(139.92,92.56) 138.25,94.23 135.9,94.23 135.25,94.88 135.25,96.12 135.75,96.62 138.62,96.62 141.75,99.75 v1(144.5,99.75)
SPI_CS: length 131.6
  Top w0.5: RN1.2 43.84,65.09 v1(44,65.25) ; v1(4,59.4) J1.2
  Bottom w0.4: U1.2 93.2,103.5 55.25,103.5 54.5,102.75 54.5,99.77 48.1,93.37 48.1,69.35 v1(44,65.25)
  Bottom w0.5: v1(4,59.4) 4.1,59.5 38.25,59.5 v1(44,65.25)
SPI_RX: length 128.6
  Top w0.5: v1(4,65) 3.9,64.9 J1.7 ; v1(31.75,66.41) RN2.2
  Bottom w0.4: U1.1 93.92,103.63 93.45,104.1 55,104.1 53.9,103 53.9,100.02 47.5,93.62 47.5,69.75 45.05,67.3 32.64,67.3 v1(31.75,66.41)
  Bottom w0.5: v1(31.75,66.41) 30.34,65 v1(4,65)
SPI_SCK: length 125.2
  Top w0.4: v1(42.75,61.25) 36.5,61.25 RN2.4
  Top w0.5: v1(4,62.7) J1.5 ; v1(32.25,63.75) RN2.4
  Bottom w0.4: v1(42.75,61.25) 48.7,67.2 48.7,93 50.7,95 92.75,95 93.75,96 95.6,96 U1.4
  Bottom w0.5: v1(4,62.7) 4.05,62.75 31.25,62.75 v1(32.25,63.75)
SPI_TX: length 129
  Top w0.3: v1(46.88,63.62) v1(44,66.5)
  Top w0.5: v1(4,60.5) J1.3 ; v1(44,66.5) 41.84,66.5 RN1.3
  Bottom w0.4: U1.5 94.68,94.4 50.95,94.4 49.3,92.75 49.3,66.05 v1(46.88,63.62)
  Bottom w0.5: v1(44,66.5) 38,60.5 v1(4,60.5)
TTP_SCL: length 25.2
  Top w0.4: U1.20 88.62,48.38 74.94,48.38 74.48,48.84 U8.13
TTP_SDO: length 31.7
  Top w0.4: U8.12 73.85,48.62 74.7,47.78 90.78,47.78 96.86,53.86 96.86,56.66 U1.19
UART_RX: length 76.6
  Top w0.4: U1.7 97.5,90.28 97.5,91.54 96.86,92.18 92.32,92.18 90.77,93.73 56.27,93.73 R21.2
  Top w0.5: v1(37,102) 35.25,103.75 D4.1 ; R21.2 54.75,97.58 U9.4 52.75,98 v1(51.75,99)
  Bottom w0.5: v1(51.75,99) 51,99.75 39.25,99.75 v1(37,102)
UART_TX: length 92
  Top w0.4: U1.6 92.07,90.93 89.87,93.13 47.12,93.13 46.5,93.75 v1(43,93.75)
  Top w0.5: R24.2 23.75,93.25 v1(23.75,96.25) 23.75,103.35 23.35,103.75 D5.1
  Bottom w0.4: v1(23.75,96.25) 26.25,93.75 v1(43,93.75)
VSYS: length 97.9
  Top w0.4: Q3.3 90.2,97.3 109.6,97.3 U1.39
  Top w0.5: U1.39 116.66,101.09 117.4,100.35 120.9,100.35 v1(121.41,99.84) U2.1
  Bottom w0.5: SW3.1 163.75,67 153.25,77.5 153.25,83.1 150.5,85.85 148.9,85.85 143.15,91.6 139.4,91.6 138,93 125.25,93 121.41,96.84 v1(121.41,99.84)
VSYS&VBAT: length 10
  Top w0.4: 89.5,102.7 89.45,102.7 ; Q3.2 86.2,96.8 85.17,97.83 85.17,99.33 86.1,100.25 87.5,100.25 88.25,101 88.25,101.75 89.2,102.7 Q4.2
Net-(U4-VINL2/VIN1M): length 19.9
  Top w0.3: 17.08,76.25 18.83,78 32.64,78 34.25,76.39 U4.1
Net-(U4-VINL4/VIN4M): length 41.2
  Top w0.3: C21.2 7.75,86.92 7.75,80.74 11.36,77.12 13.38,77.12 14.75,78.5 34.34,78.5 35.75,79.91 U4.27
Net-(U4-VINR2/VIN2M): length 18.9
  Top w0.3: U4.2 34.75,74.18 34.07,73.5 17.33,73.5 17.08,73.75
Net-(U4-VINR4/VIN3M): length 173.6
  Top w0.3: U4.28 35.25,81.59 35.5,81.84 36.7,81.84 39.75,84.89
  Top w0.4: C22.2 163.5,88.42 163.5,84.27 163.13,83.9 162.15,83.9 161.5,83.25 161.5,72 136.75,47.25 119.01,47.25 107.1,59.16 91.84,59.16 82,69 68.75,69 52.86,84.89 39.75,84.89
Net-(D1-A): length 2.3
  Top w0.5: D1.2 123.7,101.55 R15.1
Net-(D2-A): length 2.3
  Top w0.5: D2.2 121.5,103.7 R17.1
Net-(D3-A): length 16.8
  Top w0.5: J7.T 36.55,95.55 37.75,96.75 43.21,96.75 D3.2 45.25,97.29 45.25,99.08 U9.2
Net-(D3-K): length 5.5
  Top w0.5: D3.1 R20.1 45.79,103.08 U9.1
Net-(D4-A): length 2
  Top w0.5: R22.2 D4.2
Net-(D5-A): length 2
  Top w0.5: D5.2 R23.2
Net-(DS1-VO): length 17.2
  Top w0.5: DS1.3 52.12,87.5 42.25,87.5 RV1.2
Net-(J1-DAT1): length 36.5
  Top w0.5: v1(4,66) J1.8 ; v1(29.75,66) 31.5,67.75 RN2.1
  Bottom w0.5: v1(29.75,66) v1(4,66) TP1.1
Net-(J1-DAT2): length 54.2
  Top w0.5: v1(44,63.75) RN1.1 ; v1(4,58.3) J1.1
  Bottom w0.5: v1(44,63.75) 38.5,58.25 4.05,58.25 v1(4,58.3) 4,57.25 TP2.1
Net-(J1-DET_A): length 29.2
  Top w0.5: J1.10 13.6,55.9 v1(14.25,55.25) 24.09,65.09 RN2.3
  Bottom w0.5: TP3.1 14.25,54 v1(14.25,55.25)
Net-(J2-PadR1): length 21.6
  Top w0.5: J2.R1 12.25,95.15 12.25,80.24 RV2.5
Net-(J2-PadT): length 18.6
  Top w0.5: RV2.4 9.75,80.74 J2.T
Net-(J7-PadR1): length 4.8
  Top w0.5: R20.2 40.75,100.04 J7.R1
Net-(J10-PadR1): length 9.9
  Top w0.5: R25.2 30.75,91.75 30.75,96.45 28.75,98.45 J10.R1
Net-(J10-PadT): length 5.5
  Top w0.5: J10.T 21.65,93.35 R24.1
Net-(JP1-B): length 10.6
  Top w0.4: 119.71,70.96 RN3.4 ; 119.71,70.96 119.71,71.54 119,72.25 v1(118,72.25) ; 119.71,70.96 120.5,71.75 121.6,71.75 122.55,72.7 U3.12
  Bottom w0.4: v1(118,72.25) 118,71.75 118.5,71.25 JP1.2
Net-(JP6-B): length 15.2
  Top w0.3: RN4.1 46.16,84.34 39.96,84.34 37.25,81.63 U4.24 37.25,79.25 v1(37.03,79.03)
  Bottom w0.3: JP6.2 37.22,79.03 v1(37.03,79.03)
Net-(JP7-A): length 24.1
  Top w0.3: U4.21 38.75,82.42 40.17,83.84 42.33,83.84 42.92,83.25 v1(44.25,83.25) 45.09,82.41 RN4.2
  Bottom w0.3: v1(44.25,83.25) 43.59,83.91 34.54,83.91 JP7.1
Net-(JP8-A): length 27.1
  Top w0.3: U4.20 39.25,82.21 40.38,83.34 42.12,83.34 43.46,82 v1(44.25,82) 45.16,81.09 RN4.3
  Bottom w0.3: v1(44.25,82) 43.66,82.59 32.86,82.59 JP8.1
Net-(JP9-A): length 27.1
  Top w0.25: R8.2 160.5,87 160.5,90.89 Q1.3 154.55,93.95 v1(154.5,94)
  Bottom w0.25: v1(154.5,94) 152.25,94 150.75,95.5 JP9.1
